# Altium PCB PCB2 - 副本 (2).PcbDoc (part 2 of 2)
Units mil, origin at the board's own origin, x right, y up, seen from the top; angles counter-clockwise.
Board outline 4130 x 4922 mil, 2 copper layers (Top Layer, Bottom Layer); 61 components, 137 nets, 441 pads, 163 vias.
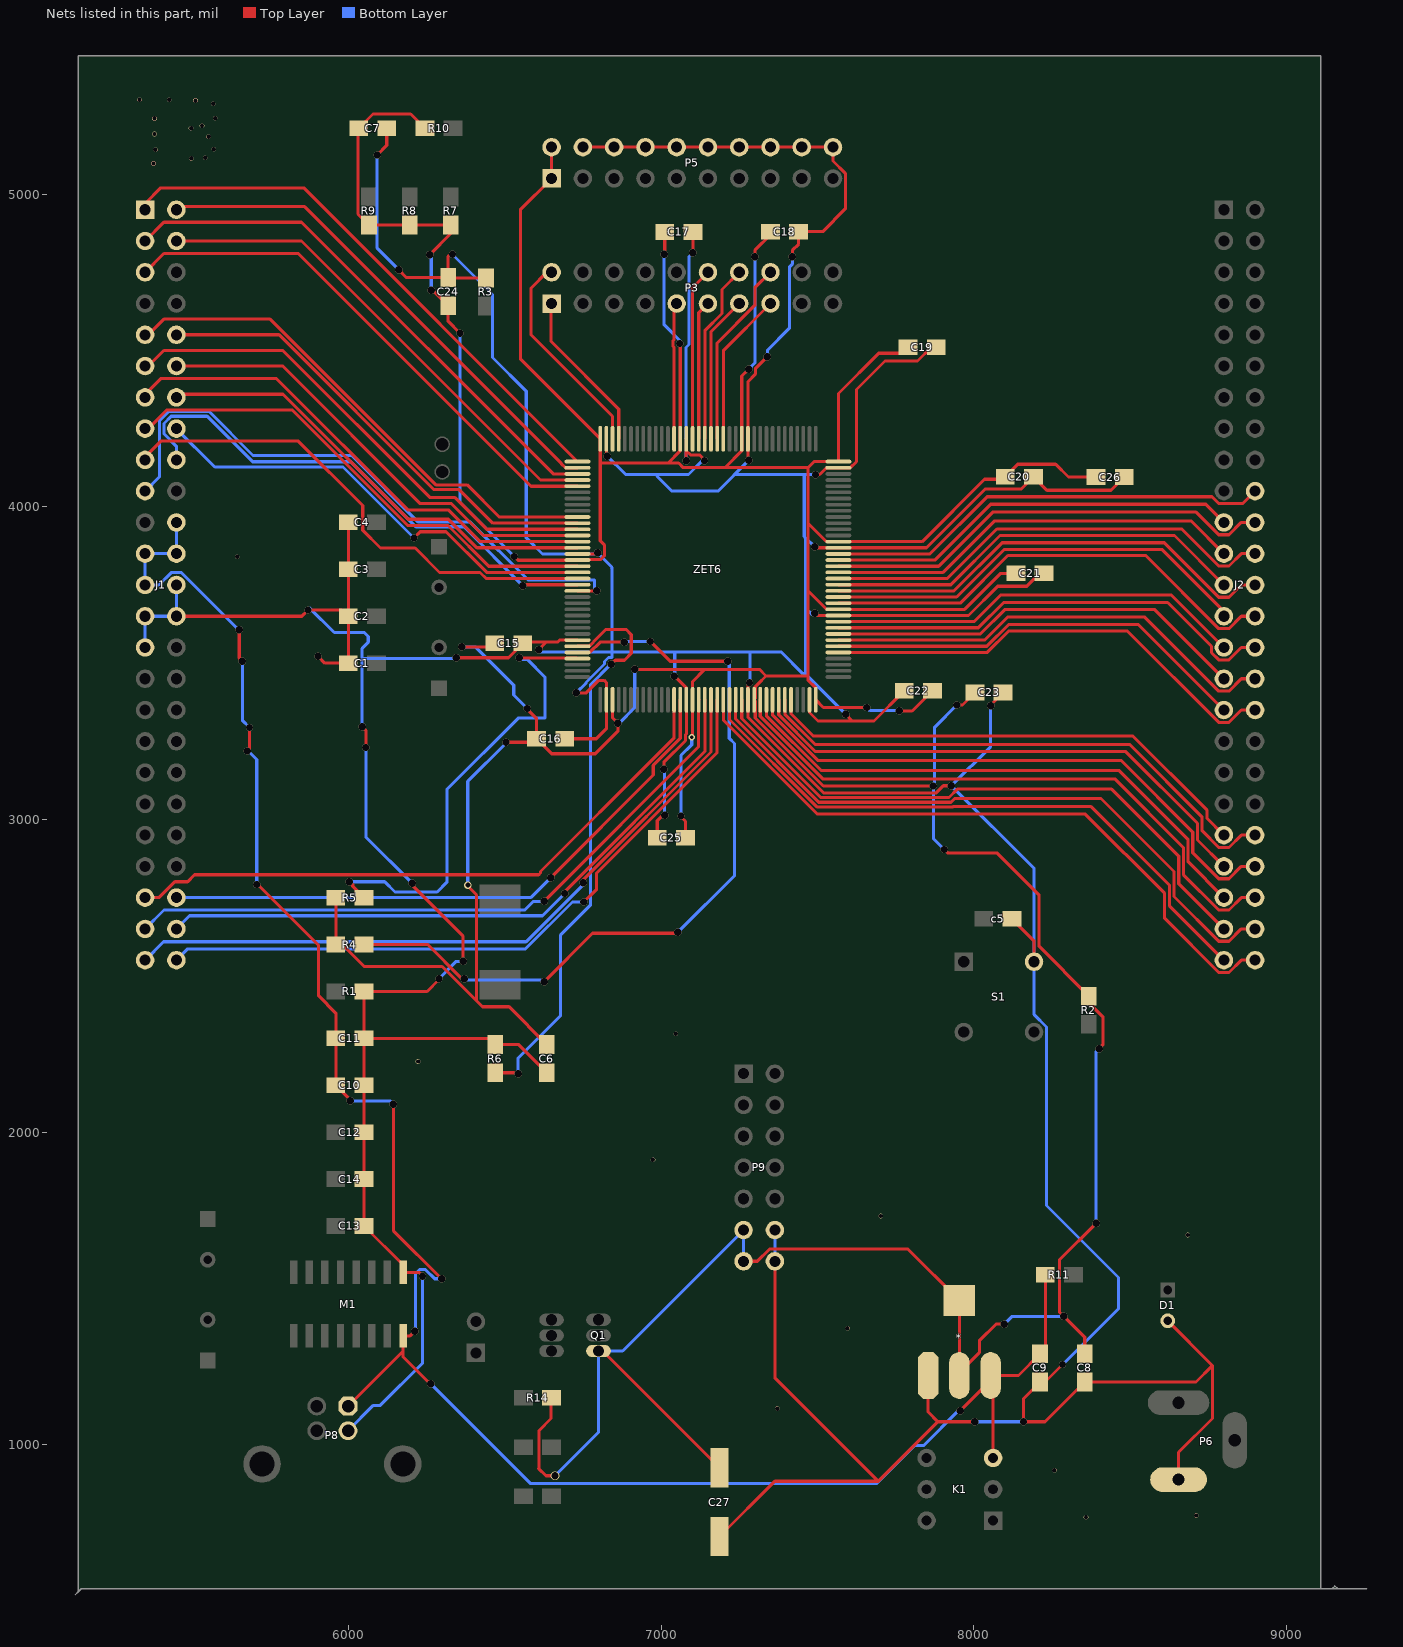
[diagram p2: the nets of this part, all layers, seen from the top]

## Via types
v1: diameter 23.62, hole 23.62, Top Layer to Bottom Layer, tented both sides, 133 vias
v2: diameter 15, hole 14, Top Layer to Bottom Layer, tented both sides, 26 vias
v3: diameter 27.56, hole 23.62, Top Layer to Bottom Layer, tented both sides, 2 vias
v4: diameter 19.68, hole 11.81, Top Layer to Bottom Layer, tented both sides, 1 vias
v5: diameter 23.62, hole 15.75, Top Layer to Bottom Layer, tented both sides, 1 vias

## Nets (pads, with @x,y where several pads share a name; then routed paths per layer and width w, separated by ;. In a path a pad name is that pad's centre, name@x,y a point inside that pad or via, vN(x,y) a via of type N, cw(c..) or ccw(c..) an arc to the next point about the centre after c; other vN are vias at no path point) (continued)
PD8: J2.34 ZET6.77 | length 1498.6
  Top Layer w10: ZET6.77@7567.32,3534.25 8043.47,3534.25 8112.11,3602.89 8491.21,3602.89 8783.63,3310.47 8816.37,3310.47 8855.9,3350 J2.34@8900,3350
PD9: J2.33 ZET6.78 | length 1374.4
  Top Layer w10: ZET6.78@7567.32,3553.94 8041.94,3553.94 8111,3623 8527,3623 J2.33@8800,3350
PD10: J2.32 ZET6.79 | length 1477.4
  Top Layer w10: ZET6.79@7567.32,3573.62 8034.62,3573.62 8108,3647 8547.1,3647 8783.63,3410.47 8816.37,3410.47 8855.9,3450 J2.32@8900,3450
PD11: J2.31 ZET6.80 | length 1356.4
  Top Layer w10: ZET6.80@7567.32,3593.31 8021.31,3593.31 8099,3671 8579,3671 J2.31@8800,3450
PD12: J2.30 ZET6.81 | length 1470.3
  Top Layer w10: ZET6.81@7567.32,3612.99 8014.99,3612.99 8096,3694 8620,3694 8760.47,3553.53 8760.47,3533.63 8783.63,3510.47 8816.37,3510.47 8855.9,3550 J2.30@8900,3550
PD13: J2.29 ZET6.82 | length 1337.6
  Top Layer w10: ZET6.82@7567.32,3632.68 8000.68,3632.68 8086,3718 8632,3718 J2.29@8800,3550
PD14: J2.28 ZET6.85 | length 1508.9
  Top Layer w10: ZET6.85@7567.32,3691.73 7956.73,3691.73 8109,3844 8550.1,3844 8783.63,3610.47 8816.37,3610.47 8855.9,3650 J2.28@8900,3650
PD15: J2.27 ZET6.86 | length 1393.1
  Top Layer w10: ZET6.86@7567.32,3711.42 7945.42,3711.42 8097,3863 8603,3863 8800,3666 J2.27@8800,3650
PE0: P3.1 ZET6.141 | length 523.2
  Top Layer w10: P3.1@6650,4650 6648,4648 6648,4529 6864.57,4312.43 ZET6.141@6864.57,4217.32
PE1: P3.2 ZET6.142 | length 676.9
  Top Layer w10: P3.2@6650,4750 6635,4750 6584,4699 6584,4550 6844.88,4289.12 ZET6.142@6844.88,4217.32
PE2: J1.1 ZET6.1 | length 1786
  Top Layer w10: J1.1@5350,4950 5350,4970 5400,5020 5857.17,5020 ZET6.1@6732.68,4144.49
PE3: J1.2 ZET6.2 | length 1633.2
  Top Layer w10: J1.2@5450,4950 5460,4960 5860,4960 6681.34,4138.66 6681.34,4137.9 6694.44,4124.8 ZET6.2@6732.68,4124.8
PE4: J1.3 ZET6.3 | length 1740.9
  Top Layer w10: J1.3@5350,4850 5410,4910 5850,4910 6654.88,4105.12 ZET6.3@6732.68,4105.12
PE5: J1.4 ZET6.4 | length 1599.4
  Top Layer w10: J1.4@5450,4850 5850,4850 6614.57,4085.43 ZET6.4@6732.68,4085.43
PE6: J1.5 ZET6.5 | length 1715.8
  Top Layer w10: J1.5@5350,4750 5410,4810 5840,4810 6584.25,4065.75 ZET6.5@6732.68,4065.75
PE7: J2.49 ZET6.58 | length 2003.1
  Top Layer w10: ZET6.58@7218.9,3382.68 7218.9,3319.63 7498.33,3040.19 7933.46,3040.19 7935.27,3042 8374,3042 8625.47,2790.53 8625.47,2724.53 J2.49@8800,2550
PE8: J2.48 ZET6.59 | length 2090.3
  Top Layer w10: ZET6.59@7238.58,3382.68 7238.58,3321.15 7504.55,3055.19 7927.25,3055.19 7939.06,3067 8407,3067 8640.47,2833.53 8640.47,2753.63 8783.63,2610.47 8816.37,2610.47 8855.9,2650 J2.48@8900,2650
PE9: J2.47 ZET6.60 | length 1954.1
  Top Layer w10: ZET6.60@7258.27,3382.68 7258.27,3322.68 7510.76,3070.19 7921.03,3070.19 7947.85,3097 8441,3097 8655.47,2882.53 8655.47,2794.53 J2.47@8800,2650
PE10: J2.46 ZET6.63 | length 1959.3
  Top Layer w10: ZET6.63@7317.32,3382.68 7317.32,3329.97 7517.29,3130 8451,3130 8670.47,2910.53 8670.47,2823.63 8783.63,2710.47 8816.37,2710.47 8855.9,2750 J2.46@8900,2750
PE11: J2.45 ZET6.64 | length 1796.6
  Top Layer w10: ZET6.64@7337.01,3382.68 7337.01,3331.5 7511.51,3157 8464,3157 8685.47,2935.53 8685.47,2864.53 J2.45@8800,2750
PE12: J2.44 ZET6.65 | length 1864.4
  Top Layer w10: ZET6.65@7356.69,3382.68 7356.69,3333.03 7500.72,3189 8471,3189 8700.47,2959.53 8700.47,2893.63 8783.63,2810.47 8816.37,2810.47 8855.9,2850 J2.44@8900,2850
PE13: J2.43 ZET6.66 | length 1703.5
  Top Layer w10: ZET6.66@7376.38,3382.68 7376.38,3334.56 7493.93,3217 8486,3217 8715.47,2987.53 8715.47,2934.53 J2.43@8800,2850
PE14: J2.42 ZET6.67 | length 1768.9
  Top Layer w10: ZET6.67@7396.06,3382.68 7396.06,3336.08 7492.15,3240 8498,3240 8730.47,3007.53 8730.47,2963.63 8783.63,2910.47 8816.37,2910.47 8855.9,2950 J2.42@8900,2950
PE15: J2.41 ZET6.68 | length 1605.1
  Top Layer w10: ZET6.68@7415.75,3382.68 7415.75,3337.61 7486.36,3267 8509,3267 8745.47,3030.53 8745.47,3004.53 J2.41@8800,2950
PF0: J1.9 ZET6.10 | length 1665.5
  Top Layer w10: J1.9@5350,4550 5360,4550 5410,4600 5750,4600 6280,4070 6380,4070 6482.68,3967.32 ZET6.10@6732.68,3967.32
PF1: J1.10 ZET6.11 | length 1532.2
  Top Layer w10: J1.10@5450,4550 5778.79,4550 6273.79,4055 6355,4055 6462.36,3947.64 ZET6.11@6732.68,3947.64
PF2: J1.11 ZET6.12 | length 1640.3
  Top Layer w10: J1.11@5350,4450 5360,4450 5410,4500 5790,4500 6260,4030 6340,4030 6442.05,3927.95 ZET6.12@6732.68,3927.95
PF3: J1.12 ZET6.13 | length 1507.1
  Top Layer w10: J1.12@5450,4450 5790,4450 6230,4010 6330,4010 6431.73,3908.27 ZET6.13@6732.68,3908.27
PF4: J1.13 ZET6.14 | length 1629.4
  Top Layer w10: J1.13@5350,4350 5350,4360 5400,4410 5770,4410 6190,3990 6320,3990 6421.42,3888.58 ZET6.14@6732.68,3888.58
PF5: J1.14 ZET6.15 | length 1490.2
  Top Layer w10: J1.14@5450,4350 5460,4360 5791.21,4360 6191.21,3960 6320,3960 6411.1,3868.9 ZET6.15@6732.68,3868.9
PF6: J1.15 ZET6.18 | length 1614.7
  Top Layer w10: J1.15@5350,4250 5360,4250 5420,4310 5820,4310 6190,3940 6318.79,3940 6448.94,3809.84 ZET6.18@6732.68,3809.84
PF7: J1.16 ZET6.19 | length 1489.7
  Top Layer w10: v1(6210,3900) 6230,3920 6312.44,3920 6442.28,3790.16 ZET6.19@6732.68,3790.16
  Bottom Layer w10: J1.16@5450,4250 5573,4127 5983,4127 v1(6210,3900)
PF8: J1.17 ZET6.20 | length 1641.8
  Top Layer w10: J1.17@5350,4150 5350,4160 5400,4210 5840,4210 6046,4004 6046,3924.79 6102.6,3868.19 6213.43,3868.19 6291.62,3790 6421.23,3790 6440.75,3770.47 ZET6.20@6732.68,3770.47
PF9: J1.18 ZET6.21 | length 1690.3
  Top Layer w10: v1(6558,3748) 6558,3748.57 6560.21,3750.79 ZET6.21@6732.68,3750.79
  Bottom Layer w10: J1.18@5450,4150 5450,4194.1 5410.47,4233.63 5410.47,4266.37 5433.63,4289.53 5548.47,4289.53 5694,4144 6008,4144 6216,3936 6370,3936 v1(6558,3748)
PF10: J1.19 ZET6.22 | length 1971.5
  Top Layer w10: ZET6.22@6732.68,3731.1 6794.9,3731.1 v1(6795,3731)
  Bottom Layer w10: J1.19@5350,4050 5396,4096 5396,4226.36 5395.47,4226.89 5395.47,4274.47 5425.53,4304.53 5554.69,4304.53 5695.21,4164 6011,4164 6224,3951 6390,3951 6575,3766 6787,3766 6787,3739 v1(6795,3731)
PF11: J1.45 ZET6.49 | length 2027.9
  Top Layer w10: J1.45@5350,2750 5394.1,2750 5445.1,2801 5486,2801 5508,2823 6608.49,2823 6614.51,2829.02 6614.51,2833.56 6989.86,3208.91 7041.73,3260.78 ZET6.49@7041.73,3382.68
PF12: J1.46 ZET6.50 | length 1963.8
  Top Layer w10: v1(6647,2814) 6975,3142 6975,3172.84 7061.42,3259.25 ZET6.50@7061.42,3382.68
  Bottom Layer w10: J1.46@5450,2750 6583,2750 v1(6647,2814)
PF13: J1.47 ZET6.53 | length 2161.9
  Top Layer w10: v1(6626,2738) 7120,3232 7120,3382.2 ZET6.53@7120.47,3382.68
  Bottom Layer w10: J1.47@5350,2650 5410.47,2710.47 6564.69,2710.47 6592.21,2738 v1(6626,2738)
PF14: J1.48 ZET6.54 | length 2093.9
  Top Layer w10: v1(6692,2763.32) 6692,2769.21 7140.16,3217.37 ZET6.54@7140.16,3382.68
  Bottom Layer w10: J1.48@5450,2650 5492,2692 6620.69,2692 v1(6692,2763.32)
PF15: J1.49 ZET6.55 | length 2261.6
  Top Layer w10: v1(6751,2797) 6751,2807 7159.84,3215.84 ZET6.55@7159.84,3382.68
  Bottom Layer w10: J1.49@5350,2550 5409,2609 6568.53,2609 6751,2791.47 v1(6751,2797)
PG0: J1.50 ZET6.56 | length 2203.4
  Top Layer w10: v1(6753,2736) 6794,2777 6794,2828.79 7179.53,3214.31 ZET6.56@7179.53,3382.68
  Bottom Layer w10: J1.50@5450,2550 5486,2586 6566.74,2586 6716.74,2736 v1(6753,2736)
PG1: J2.50 ZET6.57 | length 2163.1
  Top Layer w10: ZET6.57@7199.21,3382.68 7199.21,3318.1 7500.31,3017 8357,3017 8610.47,2763.53 8610.47,2683.63 8783.63,2510.47 8816.37,2510.47 8855.9,2550 J2.50@8900,2550
PG2: J2.26 ZET6.87 | length 1485.1
  Top Layer w10: ZET6.87@7567.32,3731.1 7937.1,3731.1 8091,3885 8609.1,3885 8783.63,3710.47 8816.37,3710.47 8855.9,3750 J2.26@8900,3750
PG3: J2.25 ZET6.88 | length 1363.2
  Top Layer w10: ZET6.88@7567.32,3750.79 7926.79,3750.79 8084,3908 8642,3908 J2.25@8800,3750
PG4: J2.24 ZET6.89 | length 1463.8
  Top Layer w10: ZET6.89@7567.32,3770.47 7915.47,3770.47 8074,3929 8665.1,3929 8783.63,3810.47 8816.37,3810.47 8855.9,3850 J2.24@8900,3850
PG5: J2.23 ZET6.90 | length 1344.4
  Top Layer w10: ZET6.90@7567.32,3790.16 7902.16,3790.16 8067,3955 8695,3955 J2.23@8800,3850
PG6: J2.22 ZET6.91 | length 1450.8
  Top Layer w10: ZET6.91@7567.32,3809.84 7887.84,3809.84 8061,3983 8711.1,3983 8783.63,3910.47 8816.37,3910.47 8855.9,3950 J2.22@8900,3950
PG7: J2.21 ZET6.92 | length 1330.6
  Top Layer w10: ZET6.92@7567.32,3829.53 7875.53,3829.53 8054,4008 8742,4008 J2.21@8800,3950
PG8: J2.20 ZET6.93 | length 1433.7
  Top Layer w10: ZET6.93@7567.32,3849.21 7860.21,3849.21 8043,4032 8762.1,4032 8783.63,4010.47 8860.47,4010.47 J2.20@8900,4050
PG9: P3.15 ZET6.124 | length 495.1
  Top Layer w10: ZET6.124@7199.21,4217.32 7199.21,4499.21 P3.15@7350,4650
PG10: P3.16 ZET6.125 | length 603.3
  Top Layer w10: ZET6.125@7179.53,4217.32 7179.53,4523.63 7300,4644.1 7300,4700 P3.16@7350,4750
PG11: P3.13 ZET6.126 | length 470
  Top Layer w10: ZET6.126@7159.84,4217.32 7159.84,4559.84 P3.13@7250,4650
PG12: P3.14 ZET6.127 | length 578.2
  Top Layer w10: ZET6.127@7140.16,4217.32 7140.16,4563.16 7195,4618 7195,4695 P3.14@7250,4750
PG13: P3.11 ZET6.128 | length 444.9
  Top Layer w10: ZET6.128@7120.47,4217.32 7120.47,4620.47 P3.11@7150,4650
PG14: P3.12 ZET6.129 | length 553.1
  Top Layer w10: ZET6.129@7100.79,4217.32 7100.79,4700.79 P3.12@7150,4750
PG15: P3.9 ZET6.132 | length 439
  Top Layer w10: ZET6.132@7041.73,4217.32 7041.73,4509.42 7038.19,4512.97 7038.19,4531.03 7041.73,4534.58 7041.73,4641.73 P3.9@7050,4650
VCC: *.3 C9.2 C10.1 C11.1 J1.22 J1.23 J1.24 J1.25 K1.3 M1.16 P8.1 R11.1 | length 6694.6
  Top Layer w10: v1(5651,3607) 5651,3516 v1(5661,3506) ; v1(5677,3219) 5684,3226 v1(5684,3294) ; v1(5707,2792) 5707,2795 5905,2597 5905,2435.79 5960,2380.79 C11.1@5960,2299.94 C10.1@5960,2149.94 6006,2103.94 v1(6006,2100) ; P8.1@5999,1124 6175,1300 ; v1(6144,2089) 6144,1685 v1@6301,1528 ; v1(6212,1363) 6197.62,1348.62 M1.16@6175,1348.62 6175,1300 ; v1(6264,1195) 6261,1195 6175,1281 6175,1300 ; v1(7957,1109) 8054.03,1206.03 *.3@8054.03,1221.94 ; K1.3@8062,958 8062,1213.97 *.3@8054.03,1221.94 ; R11.1@8229,1543.94 8229,1307.94 C9.2@8212.06,1291 8143,1221.94 *.3@8054.03,1221.94
  Bottom Layer w10: J1.22@5450,3950 J1.24@5450,3850 J1.23@5350,3850 J1.25@5350,3750 5394.1,3750 5433.63,3789.53 5466.37,3789.53 5648.9,3607 v1(5651,3607) ; v1(5661,3506) 5661,3317 v1(5684,3294) ; v1(5677,3219) 5677,3222 5707,3192 v1(5707,2792) ; v1(6006,2100) 6133,2100 v1(6144,2089) ; v1(6212,1363) 6216,1367 6216,1372.19 6215.19,1373 6215.19,1548.03 6227.97,1560.81 6246.03,1560.81 6275.85,1531 v1(6299,1531) ; v1(6264,1195) 6583,876 7688.35,876 7809.87,997.53 7839.53,997.53 7951,1109 v1(7957,1109)
VDD_1: *.2 *.4 C6.2 C7.2 C8.2 C15.2 C16.2 C17.1 C18.2 C19.2 C20.2 C21.2 C22.2 C23.2 C24.2 C25.2 C26.2 C27.1 P5.1 P5.2 P9.11 P9.13 Q1.3 R2.2 R4.1 R5.1 R7.2 R8.2 R9.2 R10.2 R14.1 ZET6.17 ZET6.39 ZET6.52 ZET6.62 ZET6.72 ZET6.84 ZET6.95 ZET6.108 ZET6.121 ZET6.131 ZET6.144 | length 20736.5
  Top Layer w10: R5.1@5960,2749.94 R4.1@5960,2599.94 5980.86,2599.94 6050.79,2530 6299.84,2530 6410.04,2419.8 ; R10.2@6245,5210.06 6199.06,5256 6078.93,5256 C7.2@6033,5210.06 6030.94,5208 6030.94,4936 R9.2@6065.94,4901 R8.2@6196.94,4901 R7.2@6327.94,4901 6327.94,4873.94 v1(6260,4806) ; v1(6265,4692) 6269.93,4692 C24.2@6318.94,4643 6318.94,4593.06 v1(6357,4555) ; v1(6363,3552) 6456.93,3552 C15.2@6468,3563.06 ; v5(6382,2790) 6382,2787 6410.04,2758.96 6410.04,2419.8 ; v1(6504,3247) 6590.93,3247 C16.2@6602,3258.06 ; v1(6531,3841) 6543,3829 6727,3829 6729.19,3831.19 6807.19,3831.19 6818.81,3842.81 6818.81,3878.19 6805.51,3891.49 ZET6.144@6805.51,4217.32 6550,4472.83 6550,4950 P5.1@6650,5050 P5.2@6650,5150 ; v1(6572,3355) 6572,3352 6602,3322 C16.2@6602,3258.06 ; C6.2@6635,2280 6514,2401 6428.84,2401 6410.04,2419.8 ; R14.1@6650,1150.06 6648.19,1148.25 6648.19,1084.19 6610,1046 6610,925 6609,924 6632,901 v3(6661,901) ; Q1.3@6800,1300 6814,1300 C27.1@7187,927 ; 6806.51,4140 7023.34,4140 ; ZET6.39@6844.88,3382.68 6844.88,3325.12 v1(6862,3308) 6862,3282 6790,3210 6650.06,3210 C16.2@6602,3258.06 ; v1(6916,3480) 7314.72,3480 7335.86,3458.86 7311.02,3434.02 7310.73,3434.02 7301.42,3424.7 ZET6.62@7301.42,3386.42 ; v1(7010,4807) 7012,4809 C17.1@7012,4878.94 ; v1(7060,4522) 7061.42,4523.42 ZET6.131@7061.42,4217.32 7061.42,4179.08 7023.34,4140 ; v1(7064,3011) 7064,3008 7078,2994 C25.2@7078,2941.94 ; v4(7098,3263) 7101,3266 7101,3382.46 ZET6.52@7100.79,3382.68 7100.79,3440.92 7139.87,3480 ; P9.13@7264,1587 7308.1,1587 7347.63,1626.53 7789.44,1626.53 *.4@7954.03,1461.94 *.2@7954.03,1231.01 ; v1(7280,4440) 7258.27,4418.27 ZET6.121@7258.27,4217.32 7258.27,4179.08 7204.38,4125.19 ; v1(7300,4800) 7300,4820 7350,4870 C18.2@7350,4880.06 ; ZET6.62@7301.42,3378.9 7301.42,3324.66 7519.08,3107 v1(7871,3107) ; 7335.72,3459 7470,3459 ; v1(7658,3358) 7519.17,3358 ZET6.72@7494.49,3382.68 7494.49,3420.92 7470,3445.41 7470,3459 ; v1(7762,3348) 7763,3347 7803.07,3347 C22.2@7868,3411.94 ; C19.2@7790,4510.06 7770.93,4491 7696,4491 7567.32,4362.32 ZET6.108@7567.32,4144.49 7489.3,4144.49 7470,4125.19 ; v1(7906,2904) 7917,2893 8074,2893 8209,2758 8209,2594.07 R2.2@8368.06,2435 8368.06,2414.14 8413,2369.21 8413,2279 v1(8401,2267) ; v1(7946,3366) 7963.93,3366 C23.2@8004,3406.06 ; *.2@7954.03,1221.94 *.2@7954.03,1231.01 ; v1(8098,1386) 8071,1386 8018,1333 8018,1294.98 *.2@7954.03,1231.01 ; C21.2@8135,3787.06 8086.06,3787.06 7971.05,3672.05 ZET6.84@7567.32,3672.05 7529.08,3672.05 7470,3731.13 ; C8.2@8355.06,1291 8355.06,1343.94 v1(8288,1411) 8274,1425 8274,1591 v1(8391.6,1708.6) ; C26.2@8391,4095.06 8302.94,4095.06 8262,4136 8140.93,4136 C20.2@8101,4096.06 8092.93,4088 8034.21,4088 7834.8,3888.58 ZET6.95@7567.32,3888.58 7529.08,3888.58 7470,3947.66 ; 7023.34,4140 7056.15,4140 7070.97,4125.19 7204.38,4125.19 ; 7204.38,4125.19 7470,4125.19 ; 7470,3459 7470,3731.13 ; 7470,3731.13 7470,3947.66 ; 7470,3947.66 7470,4125.19
  Bottom Layer w10: v1(6260,4806) 6265,4801 v1(6265,4692) ; v1(6357,4555) 6357,4015 v1(6531,3841) ; v1(6363,3552) 6405.85,3552 6528.81,3429.03 6528.81,3398.19 v1(6572,3355) ; v5(6382,2790) 6382,3122 6504,3244 v1(6504,3247) ; v3(6661,901) 6800,1040 Q1.3@6800,1300 6877,1300 P9.11@7264,1687 P9.13@7264,1587 ; v1(6862,3308) 6866,3308 6915,3357 v1(6916,3480) ; v1(7010,4807) 7010,4582 7065,4527 v1(7060,4522) ; v1(7064,3011) 7064,3205 7098,3239 v4(7098,3263) ; v1(7280,4440) 7300,4460 v1(7300,4800) ; v1(7658,3358) 7668,3348 v1(7762,3348) ; v1(7906,2904) 7871,2939 v1(7871,3107) 7875,3107 7875,3295 v1(7946,3366) ; v1(8098,1386) 8123,1411 v1(8288,1411) ; v1(8391.6,1708.6) 8391.6,2257.6 v1(8401,2267)
VDDA: R5.2 ZET6.33 | length 1543
  Top Layer w10: v1(6003,2801) 6005,2801 6014,2792 6014,2785.94 R5.2@6050,2749.94 ; v1(6547,3517) 6546,3516 6731.24,3516 ZET6.33@6732.68,3514.57
  Bottom Layer w10: v1(6003,2801) 6116,2801 6149,2768 6284,2768 6315,2799 6315,3096 6543,3324 6629,3324 6629,3455 6572,3512 6552,3512 v1(6547,3517)
VREF+: R4.2 ZET6.32 | length 2597.6
  Top Layer w10: R4.2@6050,2599.94 6254.06,2599.94 6363,2491 v1(6371,2491) ; v1(6626,2481) 6781,2636 7054,2636 v1(7054,2639) ; ZET6.32@6732.68,3534.25 6772.45,3534.25 6805.2,3567 v1(6882,3567) ; v1(6965,3569) 6965,3570 7029,3506 v1(7213,3506)
  Bottom Layer w10: v1(6371,2491) 6375,2487 6614,2487 6620,2481 v1(6626,2481) ; v1(6882,3567) 6880,3569 v1(6965,3569) ; v1(7054,2639) 7234.81,2819.81 7234.81,3242.81 7218,3259.62 7218,3501 v1(7213,3506)
VREF-: R6.1 ZET6.31 | length 1848.3
  Top Layer w10: R6.1@6470.06,2190 6530,2190 6533,2187 v1(6543,2187) ; ZET6.31@6732.68,3553.94 6770.92,3553.94 6784.02,3567.03 6784.02,3568.02 6824,3608 6887.79,3608 6904.89,3590.89 6904.89,3531 6882.95,3509.05 6854.05,3509.05 v1(6841,3496)
  Bottom Layer w10: v1(6543,2187) 6543,2237.15 6678.81,2372.97 6678.81,2630.97 6774.81,2726.97 6774.81,3431.81 6839,3496 v1(6841,3496)
VSS_1: *.1 C1.1 C2.1 C3.1 C4.1 c5.1 C6.1 C7.1 C8.1 C9.1 C10.2 C11.2 C12.2 C13.1 C14.1 C15.1 C16.1 C17.2 C18.1 C19.1 C20.1 C21.1 C22.1 C23.1 C24.1 C25.1 C26.1 C27.2 D1.2 J1.26 J1.27 J1.28 J1.29 M1.1 P5.4 P5.6 P5.8 P5.10 P5.12 P5.14 P5.16 P5.18 P5.20 P6.2 P8.4 P9.12 P9.14 R1.2 R3.2 R6.2 S1.1 ZET6.16 ZET6.30 ZET6.38 ZET6.51 ZET6.61 ZET6.71 ZET6.83 ZET6.94 ZET6.107 ZET6.120 ZET6.130 ZET6.143 | length 26301.7
  Top Layer w10: J1.28@5450,3650 5851,3650 v1(5871,3670) 5979.94,3670 C2.1@6000,3649.94 ; v1(5903,3522) 5925.06,3499.94 C1.1@6000,3499.94 C2.1@6000,3649.94 ; C4.1@6000,3949.94 C3.1@6000,3799.94 C2.1@6000,3649.94 ; v1(6044,3297) 6056,3285 v1(6056,3230) ; v1(6092,5125) 6123,5156 C7.1@6123,5210.06 ; v1(6161,4758) 6186,4733 C24.1@6318.94,4733 ; v1(6204,2796) 6207,2799 6207,2786 6367,2626 v1(6367,2546) ; v1(6237,1539) 6237,1541 6226.62,1551.38 M1.1@6175,1551.38 6175,1575.06 C13.1@6050,1700.06 C14.1@6050,1850.06 C12.2@6050,1999.94 C10.2@6050,2149.94 C11.2@6050,2299.94 ; v1(6290,2491) 6290,2488 6251.94,2449.94 R1.2@6050,2449.94 C11.2@6050,2299.94 ; v1(6333,4807) 6325,4807 6318.94,4800.94 C24.1@6318.94,4733 ; v1(6345,3517) 6511.93,3517 C15.1@6558,3563.06 6562.65,3567.72 6629,3567.72 ; R3.2@6440.06,4732 6319.93,4732 C24.1@6318.94,4733 ; v1(6609,3543) 6629,3563 6629,3567.72 ; C6.1@6635,2190 6545,2280 R6.2@6470.06,2280 6450.13,2299.94 C11.2@6050,2299.94 ; C16.1@6692,3258.06 6793.06,3258.06 6825.2,3290.2 ZET6.38@6825.2,3382.68 6825.2,3437.8 6818,3445 6801.31,3445 6761.31,3405 v1(6729,3405) ; ZET6.30@6694.44,3573.62 ZET6.30@6732.68,3573.62 6675.41,3573.62 6669.51,3567.72 6629,3567.72 ; ZET6.16@6732.68,3849.21 6793.21,3849.21 v1(6797,3853) ; P5.4@6750,5150 P5.6@6850,5150 P5.8@6950,5150 P5.10@7050,5150 P5.12@7150,5150 P5.14@7250,5150 P5.16@7350,5150 P5.18@7450,5150 P5.20@7550,5150 7550,5105.9 7589.53,5066.37 7589.53,4952.53 7517.06,4880.06 C18.1@7440,4880.06 7440,4840 7420,4820 v1(7420,4800) ; ZET6.143@6825.2,4217.32 6825.2,4161.8 6826,4161 6827,4161 v1(6828,4162) ; C25.1@6988,2941.94 6988,2996 7006,3014 v1(7012,3014) ; v1(7009,3161) 7009,3183 7078.16,3252.16 7078.16,3271.22 7081.1,3274.16 ZET6.51@7081.1,3344.44 ; v1(7042,3458) 7044.02,3458 7081.1,3420.92 ZET6.51@7081.1,3382.68 ZET6.51@7081.1,3344.44 ; v1(7080,4147) ZET6.130@7080,4180.18 ; ZET6.130@7080,4216.22 ZET6.130@7080,4180.18 ; ZET6.51@7081.1,3375.12 ZET6.51@7081.1,3344.44 ; v1(7101,4812) 7101,4809 7102,4809 C17.2@7102,4878.94 ; v1(7139,4147) 7142,4147 7123.02,4165.98 7094.2,4165.98 ZET6.130@7080,4180.18 ; C27.2@7187,706.76 7364,883.76 7694.76,883.76 ; v1@7277.95,3434.95 ZET6.61@7277.95,3382.68 7277.95,3326.92 7519.68,3085.19 7880.03,3085.19 7902.85,3108 v1(7928,3108) ; v1(7281,4149) 7277.95,4152.05 ZET6.120@7277.95,4217.32 7277.95,4400.38 7301.81,4424.24 7301.81,4441.81 v1(7340,4480) ; P9.14@7364,1587 7364,1214.53 7694.76,883.76 ; ZET6.71@7474.8,3382.68 7474.8,3342.2 7502,3315 ; v1(7492,3659) 7498.64,3652.36 ZET6.83@7567.32,3652.36 7983.36,3652.36 8077,3746 8170,3746 8211.06,3787.06 C21.1@8225,3787.06 ; v1(7492,3872) 7495.1,3868.9 ZET6.94@7567.32,3868.9 7848.9,3868.9 8037,4057 8151.93,4057 C20.1@8191,4096.06 8234.06,4053 8438.93,4053 C26.1@8481,4095.06 ; v1(7494,4103) 7507.28,4103 7529.08,4124.8 ZET6.107@7568.44,4124.8 ; ZET6.107@7567.32,4124.8 ZET6.107@7568.44,4124.8 ; v1(7591,3336) 7612,3315 7502,3315 ; C22.1@7778,3411.94 7681.07,3315 7502,3315 ; *.1@7854.03,1221.94 7854.03,1104.97 7885,1074 ; C19.1@7880,4510.06 7864.06,4510.06 7820,4466 7716,4466 7625,4375 7625,4144.24 7605.56,4124.8 ZET6.107@7568.44,4124.8 ; v1(8003,1074) 7885,1074 ; v1(8053.93,3364.07) 8053.93,3366 C23.1@8094,3406.06 ; c5.1@8122,2682.06 8193,2611.06 S1.1@8193,2545 ; v1(8284,1257) 8228,1201 C9.1@8212.06,1201 8159,1147.94 v1(8159,1074) 8228.06,1074 C8.1@8355.06,1201 8710.93,1201 8763,1253.07 8763,1155.87 8763.43,1155.45 8763.43,1084.43 8655,976 P6.2@8655,888.94 ; D1.2@8620.29,1396.63 8763.43,1253.5 ; 7694.76,883.76 7885,1074
  Bottom Layer w10: J1.29@5350,3550 J1.27@5350,3650 J1.28@5450,3650 J1.26@5450,3750 ; v1(5871,3670) 5877,3676 5955.19,3597.81 6051.03,3597.81 6063.81,3585.03 6063.81,3566.97 6044,3547.15 6044,3515 ; P8.4@5999,1045.26 6079.93,1126.19 6102.03,1126.19 6237,1261.15 v1(6237,1539) ; v1(6044,3297) 6044,3515 ; v1(6056,3230) 6056,2944 v1(6204,2796) ; v1(6092,5125) 6092,4827 v1(6161,4758) ; v1(6290,2491) 6345,2546 v1(6367,2546) ; v1(6333,4807) 6461.19,4678.81 6461.19,4477.19 6569,4369.38 6569,3901 6621,3849 6793,3849 v1(6797,3853) 6841,3809 6841,3807 6842.62,3805.38 6842.62,3518.62 6841.81,3517.81 6831.97,3517.81 6819.19,3505.03 6819.19,3497.4 6759.81,3438.02 6759.81,3435.81 v1(6729,3405) ; v1(6345,3517) 6345,3516 6344,3515 6044,3515 ; v1(6609,3543) 6617,3535 7044,3535 ; v1(6828,4162) 6887,4103 6987,4103 ; v1(7009,3161) 7009,3163 7011,3161 7011,3015 v1(7012,3014) ; v1(7042,3458) 7044,3460 7044,3535 ; v1(7080,4147) 7080,4509.34 7089.53,4518.87 7089.53,4800.53 v1(7101,4812) ; v1(7139,4147) 7132,4147 7088,4103 6987,4103 ; 7235,4103 7458,4103 ; v1(7281,4149) 7182,4050 7035,4050 6987,4098 6987,4103 ; v1(7283.06,3437.19) 7285,3439.13 7285,3535 ; v1(7340,4480) 7340,4500 7410.47,4570.47 7410.47,4766.37 7420,4775.9 v1(7420,4800) ; P9.14@7364,1587 P9.12@7364,1687 ; v1(7492,3659) 7485,3659 7482,3656 7461.5,3676.5 ; v1(7492,3872) 7491,3872 7461.5,3901.5 ; v1(7494,4103) 7458,4103 ; v1(7591,3336) 7591,3337 7461.5,3466.5 ; v1(7928,3108) v1@7928.5,3107.5 ; v1(8003,1074) v1(8159,1074) ; v1(8053.93,3364.07) 8053.93,3232.93 v1@7928.5,3107.5 ; v1(8284,1257) 8285,1257 8463,1435 8463,1535 8232.53,1765.47 8232.53,2336.37 8193,2375.9 S1.1@8193,2545 8193,2843 v1@7928.5,3107.5 ; 7044,3535 7285,3535 ; 7285,3535 7385,3535 7453.5,3466.5 7461.5,3466.5 ; 7458,4103 7458,3905 7461.5,3901.5 ; 7461.5,3466.5 7461.5,3676.5 ; 7461.5,3676.5 7461.5,3901.5
  other v2: 8359,768 8712,774 8258,919 7372,1116 7596,1373 8684,1671 7703,1732 6974,1912 6223,2226 7047,2315 5645,3840 5377,5098 5498,5114 5542,5116 5383,5142 5570,5143 5553,5183 5380,5192 5497,5211 5532,5219 5380,5242 5574,5243 5568,5289 5511,5299 5332,5302 5427,5302
pads on no net: K1.2 K1.4 K1.5 K1.6 M1.9 M1.10 M1.11 M1.12 M1.15 P5.11 P5.17 P5.19 P8.5 P8.6 S1.3 S1.4 Y1. Y3. ZET6.6 ZET6.106

## Polygon pours and split planes (outlines as drawn)
VSS_1 on Top Layer "Top Layer-No Net" (solid, remove dead copper, pour order 4): 5201,5430 9093,5430 9099,5436 9100.8,5434.2 9100.8,5295.83 5211.61,5295.83 5205.44,5302 5201,5306.44 5201,5430
VSS_1 on Top Layer "Top Layer-No Net" (solid, remove dead copper, pour order 2): 5205.44,5305.16 9111.44,5305.16 9111.44,498.16 9120.44,489.16 9103.44,506.16 5205.44,506.16 5205.44,5305.16 5196.44,5314.16
VSS_1 on Bottom Layer "Top Layer-No Net" (solid, pour order 6): 5157,5431 9093,5431 9103,5421 9093,5411 9093,580 5177,580 5157,600 5167,610 5167,5421

## Keep-outs
Keep-Out Layer:
  lines w10: 5138,5450 5161,5450 9111,5450 9111,537 5139,537 5139,5435 5139,5449 5138,5450

## Silkscreen, mask and mechanical layers (free items; w line width, h text height)
Top Overlay:
  text "闫洋洋" at 7791,5150 h393.7
  text "PE3" at 5530,4930 h90
  text "PE2" at 5150,4920 h90
  text "PD3" at 8580,4920 h90
  text "PD2" at 8960,4920 h90
  text "PE4" at 5150,4820 h90
  text "PE5" at 5530,4820 h90
  text "PB9" at 6780,4820 h90 r90
  text "PB7" at 6880,4820 h90 r90
  text "PB5" at 6950,4820 h90 r90
  text "PD1" at 8580,4820 h90
  text "PD0" at 8960,4820 h90
  text "PD5" at 7640,4730 h90
  text "PE6" at 5150,4720 h90
  text "PC13" at 5530,4720 h90
  text "PC12" at 8300,4710 h90
  text "PC11" at 8540,4710 h90
  text "PE1" at 6570,4690 h90 r90
  text "PC14" at 5530,4630 h90
  text "PC15" at 5760,4630 h90
  text "PC10" at 8300,4620 h90
  text "PA15" at 8540,4620 h90
  text "PD4" at 7640,4610 h90
  text "PG12" at 7220,4560 h50
  text "PG10" at 7333.63,4554.46 h50
  text "PG14" at 7080,4550 h60
  text "PB3" at 6980,4540 h60
  text "PD7" at 7450,4540 h90
  text "PF0" at 5150,4530 h90
  text "PF1" at 5530,4520 h90
  text "PE0" at 6570,4520 h90 r90
  text "PG11" at 7220,4520 h50
  text "PG9" at 7340,4510 h50
  text "PA14" at 8300,4510 h90
  text "PA13" at 8540,4510 h90
  text "PG13" at 7080,4500 h60
  text "PD6" at 7450,4470 h90
  text "PB8" at 6770,4450 h90 r90
  text "PB6" at 6880,4450 h90 r90
  text "PB4" at 6950,4450 h90 r90
  text "PG15" at 6970,4450 h60
  text "PF2" at 5150,4420 h90
  text "PF3" at 5530,4420 h90
  text "PA12" at 8300,4420 h90
  text "PA11" at 8540,4420 h90
  text "PF5" at 5530,4330 h90
  text "PA10" at 8540,4320 h90
  text "PA9" at 8960,4320 h90
  text "PF4" at 5150,4310 h90
  text "PF6" at 5150,4220 h90
  text "PF7" at 5530,4220 h90
  text "PA8" at 8580,4220 h90
  text "PC9" at 8960,4220 h90
  text "PC8" at 8580,4120 h90
  text "PC7" at 8960,4120 h90
  text "PF8" at 5150,4110 h90
  text "PF9" at 5530,4110 h90
  text "PF10" at 5540,4020 h90
  text "PC0" at 5760,4020 h90
  text "PC6" at 8580,4020 h90
  text "PG8" at 8960,4020 h90
  text "PC1" at 5150,3920 h90
  text "PG7" at 8400,3920 h90
  text "PG6" at 8580,3920 h90
  text "PG5" at 8400,3830 h90
  text "PG4" at 8580,3830 h90
  text "VCC" at 5600,3820 h90 r90
  text "PG3" at 8400,3720 h90
  text "PG2" at 8580,3720 h90
  text "VCC" at 5250,3710 h90 r90
  text "GND" at 5600,3620 h90 r90
  text "PD15" at 8310,3620 h90
  text "PD14" at 8540,3620 h90
  text "PC2" at 5520,3530 h90
  text "GND" at 5250,3520 h90 r90
  text "PD13" at 8300,3520 h90
  text "PD12" at 8540,3520 h90
  text "PC3" at 5150,3420 h90
  text "PA0" at 5530,3420 h90
  text "PD11" at 8300,3420 h90
  text "PD10" at 8540,3420 h90
  text "PA1" at 5150,3320 h90
  text "PA2" at 5530,3320 h90
  text "PD9" at 8340,3320 h90
  text "PD8" at 8570,3320 h90
  text "PA3" at 5150,3220 h90
  text "PA4" at 5520,3220 h90
  text "PB15" at 8310,3220 h90
  text "PB14" at 8540,3220 h90
  text "PB13" at 8310,3130 h90
  text "PB12" at 8540,3130 h90
  text "PA5" at 5150,3120 h90
  text "PA6" at 5530,3120 h90
  text "PC4" at 5530,3020 h90
  text "PB11" at 8310,3020 h90
  text "PB10" at 8540,3020 h90
  text "PA7" at 5150,3010 h90
  text "PC5" at 5150,2920 h90
  text "PB0" at 5530,2920 h90
  text "PE15" at 8310,2910 h90
  text "PE14" at 8540,2910 h90
  text "PB1" at 5150,2820 h90
  text "PB2" at 5530,2810 h90
  text "PE13" at 8310,2810 h90
  text "PE12" at 8540,2810 h90
  text "PE11" at 8310,2720 h90
  text "PE10" at 8540,2720 h90
  text "PF11" at 5520,2710 h90
  text "PF12" at 5710,2710 h90
  text "PF13" at 5520,2620 h90
  text "PF14" at 5710,2620 h90
  text "PE9" at 8350,2620 h90
  text "PE8" at 8570,2620 h90
  text "PF15" at 5180,2420 h90
  text "PG0" at 5420,2420 h90
  text "PE7" at 8690,2410 h90
  text "PG1" at 8880,2410 h90
  text ">>" at 7600,2400 h100 r270
  text "USARTX(1...5)" at 6990,2320 h100
  text "PA10" at 7440,2160 h100
  text "PA9" at 7020,2150 h100
  text "PA2" at 7020,2050 h100
  text "PA3" at 7440,2050 h100
  text "PB10" at 6970,1950 h100
  text "PB11" at 7440,1950 h100
  text "PC10" at 6970,1850 h100
  text "PC11" at 7440,1850 h100
  text "PC12" at 6970,1750 h100
  text "PD2" at 7440,1750 h100
  text "3V3" at 7170,1550 h100 r90
  text "GND" at 7510,1540 h100 r90
  text "TX" at 7170,1420 h100
  text "RX" at 7340,1420 h100
  text "212" at 5180,780 h275.59
Bottom Overlay:
  text "Y3_A_01" at 7698,684 h393.7

## Text inside footprints (layer, text, board x,y; h text height)
*: Top Overlay "3" at 8028.03,1394.94 h50; Top Overlay "1" at 7848.03,1394.94 h50
D1: Top Overlay "+" at 8651.79,1577.73 h59.06 r90